# Altium PCB SolderingStation_ASCII.PcbDoc (part 1 of 2)
Units mm, origin at the board's own origin, x right, y up, seen from the top; angles counter-clockwise.
Board outline 138.15 x 60.81 mm, 2 copper layers (Top Layer, Bottom Layer), stack 1.671 mm thick; 209 components, 120 nets, 607 pads, 501 vias.
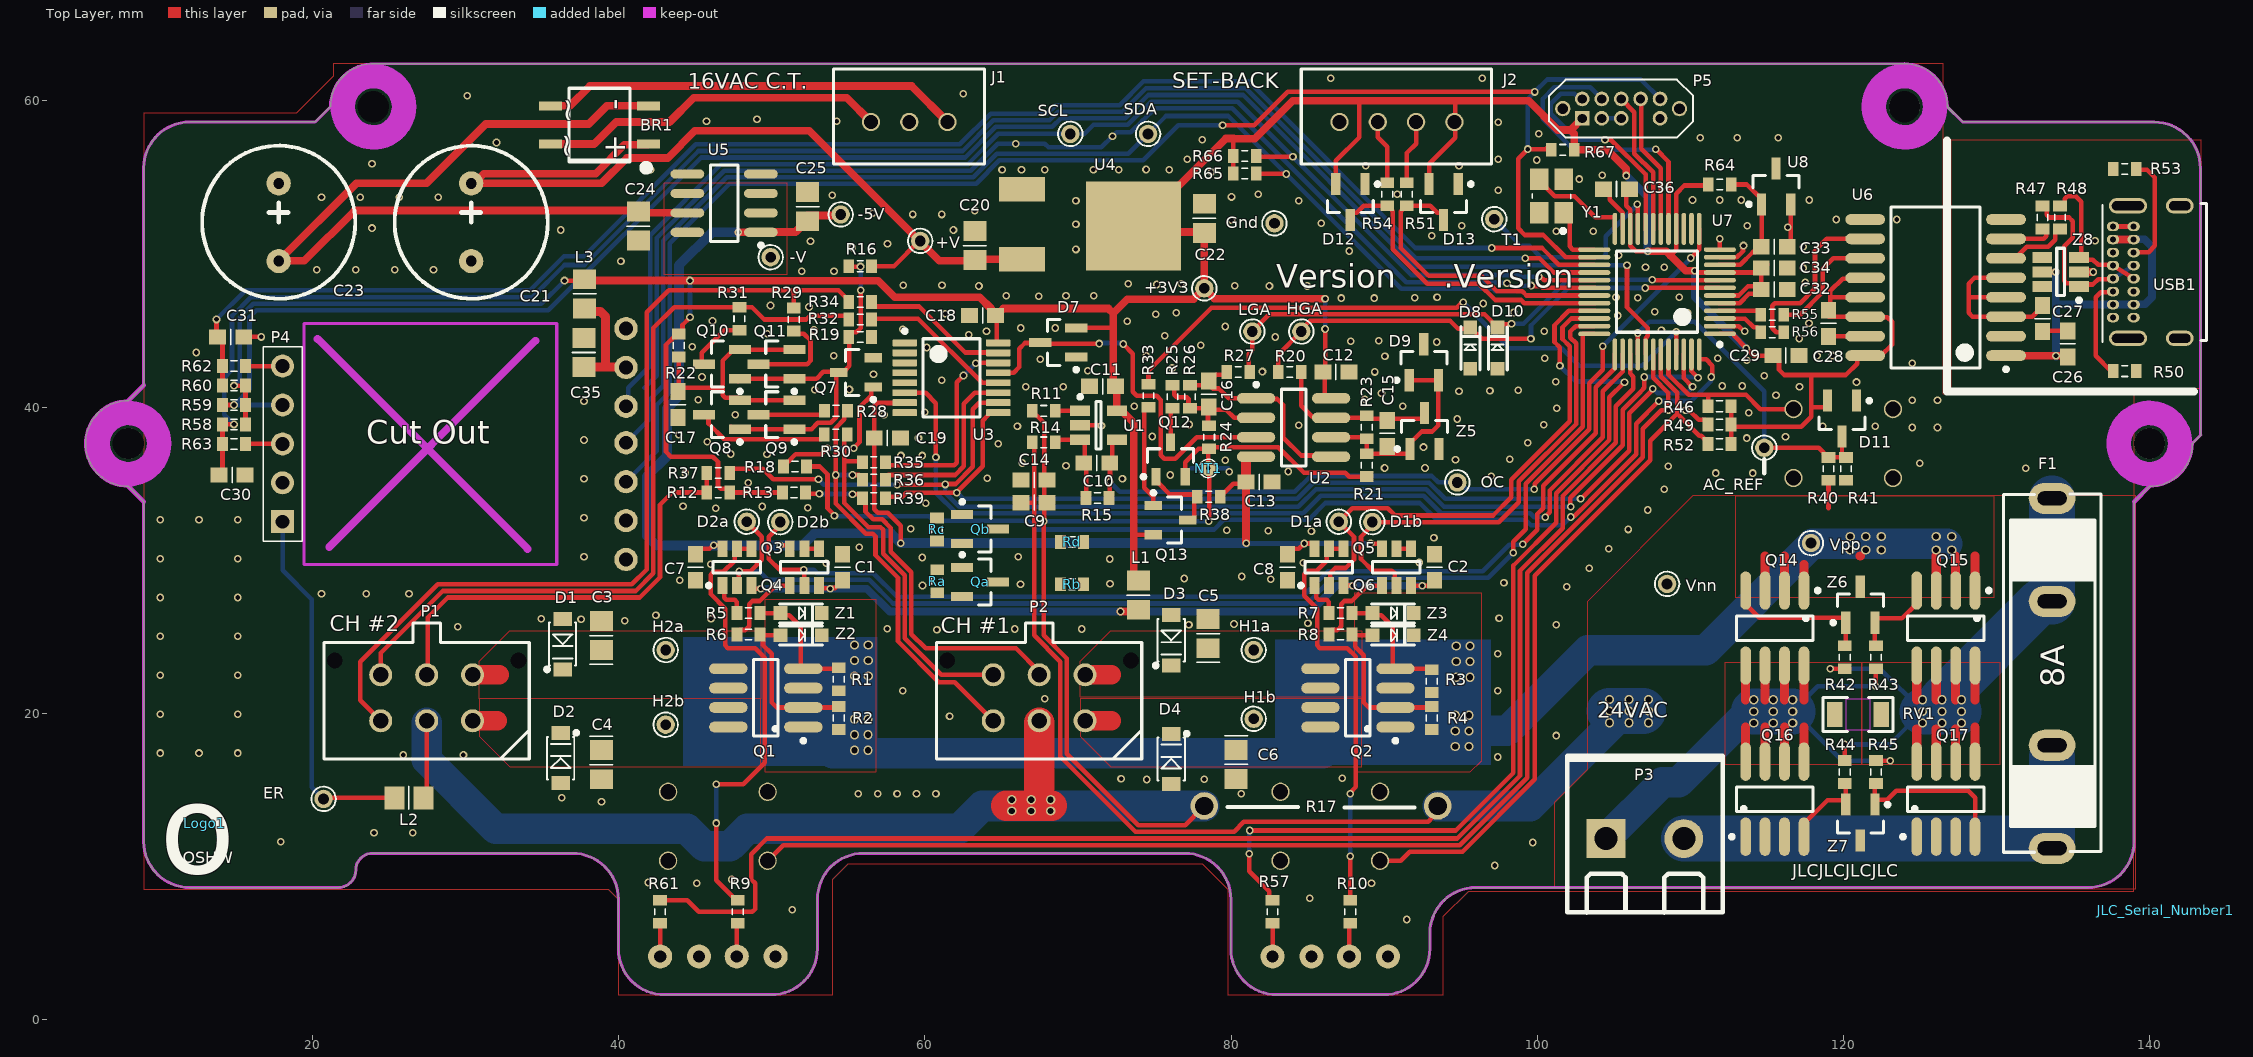
[diagram p0: Top Layer view]
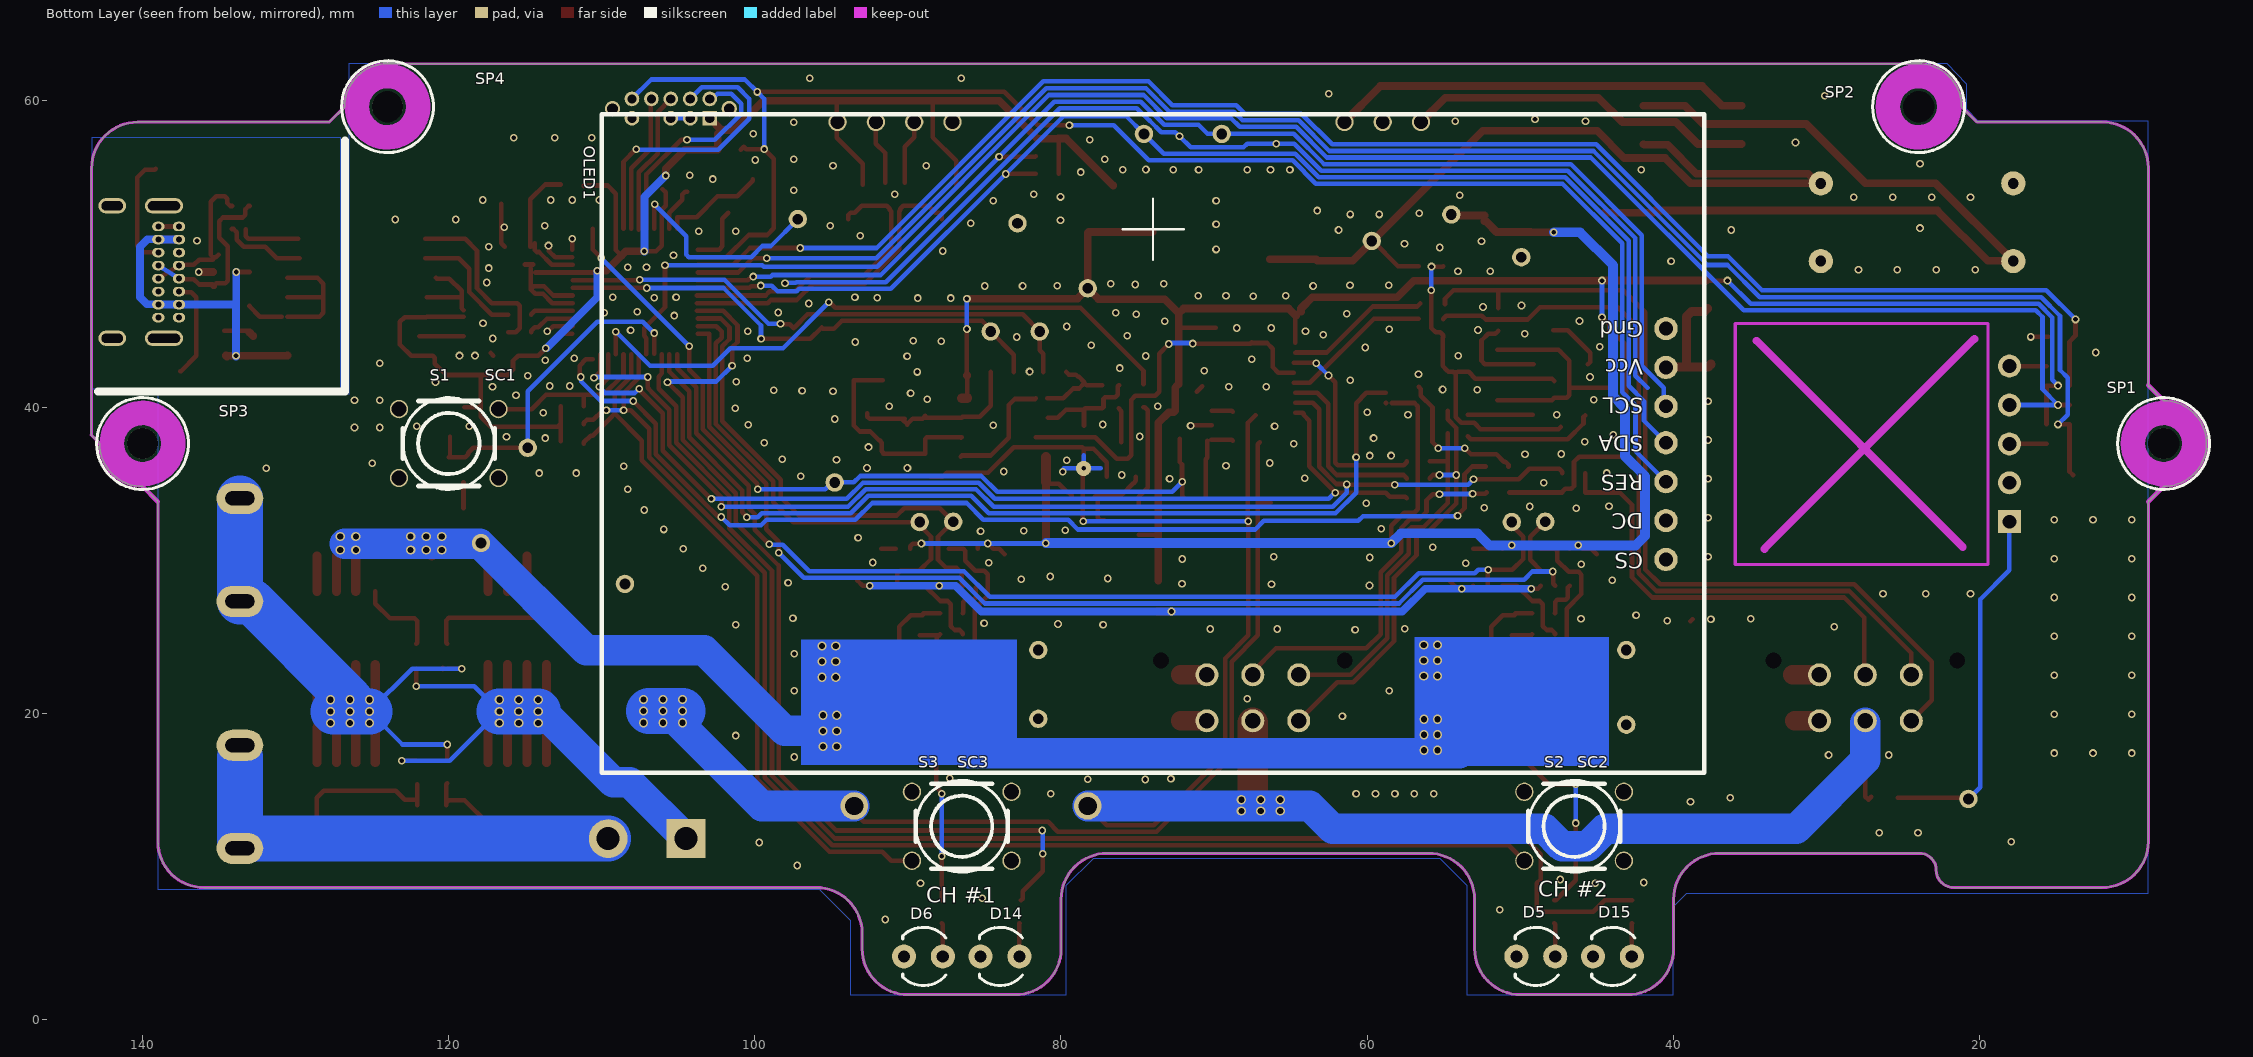
[diagram p1: Bottom Layer view, seen from below]

## Layer stack, top to bottom
Top Solder: solder mask 0.0102, Solder Resist, Dk 3.5
Top Layer: signal copper 0.0356
Dielectric 1: dielectric 1.6, FR-4, Dk 4.8
Bottom Layer: signal copper 0.0356
Bottom Solder: solder mask 0.0102, Solder Resist, Dk 3.5

## Board outline
11.976,8.617 21.69,8.617 ccw(c21.69,9.755) 22.827,9.755 cw(c23.927,9.755) 23.927,10.855 23.927,10.852 36.976,10.852 cw(c36.976,7.852) 39.976,7.852 39.976,4.617 ccw(c42.976,4.617) 42.976,1.617 49.976,1.617 ccw(c49.976,4.617) 52.976,4.617 52.976,7.852 cw(c55.976,7.852) 55.976,10.852 76.976,10.852 cw(c76.976,7.852) 79.976,7.852 79.976,4.617 ccw(c82.976,4.617) 82.976,1.617 89.976,1.617 ccw(c89.976,4.617) 92.976,4.617 92.976,5.617 cw(c95.976,5.617) 95.976,8.617 135.976,8.617 ccw(c135.976,11.617) 138.976,11.617 138.976,33.817 139.976,34.817 ccw(c139.976,37.617) 142.776,37.617 143.33,38.172 143.315,38.172 143.315,55.604 143.305,55.604 ccw(c140.305,55.604) 140.305,58.604 140.305,58.617 127.776,58.617 126.776,59.617 ccw(c123.976,59.617) 123.976,62.417 123.976,62.432 24.049,62.416 ccw(c23.976,59.617) 21.176,59.617 20.176,58.617 11.976,58.617 ccw(c11.976,55.617) 8.976,55.617 8.976,41.417 7.976,40.417 ccw(c7.976,37.617) 7.976,34.817 8.976,33.817 8.976,11.617 ccw(c11.976,11.617)

## Design rules (kind name [scope] priority, off if disabled: settings)
AssemblyTestPointUsage [All] p0: scope1count=1 scope1_0_kind=Board scope1_0_value=Board scope2count=1 scope2_0_kind=Board scope2_0_value=Board commentlength=0
AssemblyTestpoint [All] p0: scope1count=1 scope1_0_kind=Board scope1_0_value=Board scope2count=1 scope2_0_kind=Board scope2_0_value=Board commentlength=0
Clearance [All] p0: scope1count=1 scope1_0_kind=Board scope1_0_value=Board scope2count=1 scope2_0_kind=Board scope2_0_value=Board commentlength=0 gap=0.127
Clearance [All] p1: gap=0.127 ignorepadtopadclearanceinfootprint=FALSE
ComponentClearance [All] p0: scope1count=1 scope1_0_kind=Board scope1_0_value=Board scope2count=1 scope2_0_kind=Board scope2_0_value=Board commentlength=0 gap=0.254 collisioncheckmode=3
DiffPairsRouting [All] p0: scope1count=1 scope1_0_kind=Board scope1_0_value=Board scope2count=1 scope2_0_kind=Board scope2_0_value=Board commentlength=0
DiffPairsRouting [All] p1: maxlimit=0.254 minlimit=0.254 mostfreqgap=0.254 toplayer_minwidth=0.254 toplayer_maxwidth=0.381 toplayer_prefwidth=0.381 bottomlayer_minwidth=0.254 bottomlayer_maxwidth=0.381 bottomlayer_prefwidth=0.381 maxuncoupledlength=12.7
FabricationTestPointUsage [All] p0: scope1count=1 scope1_0_kind=Board scope1_0_value=Board scope2count=1 scope2_0_kind=Board scope2_0_value=Board commentlength=0 valid=0 allowmultiple=FALSE
FabricationTestpoint [All] p0: scope1count=1 scope1_0_kind=Board scope1_0_value=Board scope2count=1 scope2_0_kind=Board scope2_0_value=Board commentlength=0 side=3 testpointundercomponent=TRUE minsize=1.016 maxsize=2.54 preferedsize=1.524 minholesize=0 maxholesize=1.016 preferedholesize=0.813 testpointgrid=0.025
FanoutControl Fanout_Default [All] p0: scope1count=1 scope1_0_kind=Board scope1_0_value=Board scope2count=1 scope2_0_kind=Board scope2_0_value=Board commentlength=30 // Fanout_Default (Default Rule)
FanoutControl Fanout_Small [All] p0 off: scope1count=1 scope1_0_kind=Board scope1_0_value=Board scope2count=1 scope2_0_kind=Board scope2_0_value=Board commentlength=84 // Protel DXP Scope 1 Expression Was: (CompPinCount < 5)   Fanout_Small (Default Rule)
FanoutControl Fanout_SOIC [All] p0 off: scope1count=1 scope1_0_kind=Board scope1_0_value=Board scope2count=1 scope2_0_kind=Board scope2_0_value=Board commentlength=71 // Protel DXP Scope 1 Expression Was: IsSOIC   Fanout_SOIC (Default Rule)
FanoutControl Fanout_LCC [All] p0 off: scope1count=1 scope1_0_kind=Board scope1_0_value=Board scope2count=1 scope2_0_kind=Board scope2_0_value=Board commentlength=69 // Protel DXP Scope 1 Expression Was: IsLCC   Fanout_LCC (Default Rule)
FanoutControl Fanout_BGA [All] p0 off: scope1count=1 scope1_0_kind=Board scope1_0_value=Board scope2count=1 scope2_0_kind=Board scope2_0_value=Board commentlength=69 // Protel DXP Scope 1 Expression Was: IsBGA   Fanout_BGA (Default Rule)
Height [All] p0: scope1count=1 scope1_0_kind=Board scope1_0_value=Board scope2count=1 scope2_0_kind=Board scope2_0_value=Board commentlength=0
HoleSize [All] p0: scope1count=1 scope1_0_kind=Board scope1_0_value=Board scope2count=1 scope2_0_kind=Board scope2_0_value=Board commentlength=0 absolutevalues=TRUE maxlimit=3.1 minlimit=0.025 maxpercent=80.000 minpercent=20.000
HoleSize [All] p1: absolutevalues=TRUE maxlimit=3.1 minlimit=0.025 maxpercent=80.000 minpercent=20.000
HoleToHoleClearance [All] p0: scope1count=1 scope1_0_kind=Board scope1_0_value=Board scope2count=1 scope2_0_kind=Board scope2_0_value=Board commentlength=0
LayerPairs [All] p0: scope1count=1 scope1_0_kind=Board scope1_0_value=Board scope2count=1 scope2_0_kind=Board scope2_0_value=Board commentlength=0 enforce=TRUE
MinimumSolderMaskSliver [All] p0 off: scope1count=1 scope1_0_kind=Board scope1_0_value=Board scope2count=1 scope2_0_kind=Board scope2_0_value=Board commentlength=0
MinimumSolderMaskSliver [All] p1 off: minsoldermaskwidth=0.254
NetAntennae [All] p0: scope1count=1 scope1_0_kind=Board scope1_0_value=Board scope2count=1 scope2_0_kind=Board scope2_0_value=Board commentlength=0
PasteMaskExpansion [All] p0: scope1count=1 scope1_0_kind=Board scope1_0_value=Board scope2count=1 scope2_0_kind=Board scope2_0_value=Board commentlength=0 expansion=0
PlaneClearance [All] p0: scope1count=1 scope1_0_kind=Board scope1_0_value=Board scope2count=1 scope2_0_kind=Board scope2_0_value=Board commentlength=0 clearance=0.508
PlaneConnect [All] p0: scope1count=1 scope1_0_kind=Board scope1_0_value=Board scope2count=1 scope2_0_kind=Board scope2_0_value=Board commentlength=0 planeconnectstyle=Relief reliefexpansion=0.508 reliefentries=4 reliefconductorwidth=0.254 reliefairgap=0.254
PolygonConnect [All] p0: scope1count=1 scope1_0_kind=Board scope1_0_value=Board scope2count=1 scope2_0_kind=Board scope2_0_value=Board commentlength=0 connectstyle=Relief reliefconductorwidth=0.254 reliefentries=4 polygonreliefangle="90 Angle"
PolygonConnect PolygonConnect_Via [All] p0 off: scope1count=1 scope1_0_kind=Board scope1_0_value=Board scope2count=1 scope2_0_kind=Board scope2_0_value=Board commentlength=44 connectstyle=Direct reliefconductorwidth=0.254 reliefentries=4 polygonreliefangle="90 Angle" // Protel DXP Scope 2 Expression Was: IsVia
PolygonConnect PolygonConnect_Via [IsPolygon vs IsVia] p1: connectstyle=Direct reliefconductorwidth=0.254 reliefentries=4 polygonreliefangle="90 Angle" airgapwidth=0.254
PolygonConnect [All] p2: connectstyle=Relief reliefconductorwidth=0.254 reliefentries=4 polygonreliefangle="90 Angle" airgapwidth=0.254
RoomDefinition SolderingStation_Control [All] p0: scope1count=1 scope1_0_kind=ComponentClass scope1_0_value=SolderingStation_Control scope2count=1 scope2_0_kind=Board scope2_0_value=Board commentlength=0 region_x1=1470000 region_y1=0 region_x2=60710000 region_y2=25260000 confinementstyle=ConfineIn
RoomDefinition SolderingStation_Power [All] p0: scope1count=1 scope1_0_kind=ComponentClass scope1_0_value=SolderingStation_Power scope2count=1 scope2_0_kind=Board scope2_0_value=Board commentlength=0 region_x1=1530000 region_y1=0 region_x2=60710000 region_y2=25080000 confinementstyle=ConfineIn
RoomDefinition SolderingStation_Processor [All] p0: scope1count=1 scope1_0_kind=ComponentClass scope1_0_value=SolderingStation_Processor scope2count=1 scope2_0_kind=Board scope2_0_value=Board commentlength=0 region_x1=1530000 region_y1=0 region_x2=60770000 region_y2=25030000 confinementstyle=ConfineIn
RoomDefinition SolderingStation_Control [InComponentClass('SolderingStation_Control')] p1: confinementstyle=ConfineIn formatcopy=TRUE lockcomponents=FALSE outline 3.734,0 154.203,0 154.203,64.16 3.734,64.16
RoomDefinition SolderingStation_Power [InComponentClass('SolderingStation_Power')] p2: confinementstyle=ConfineIn formatcopy=TRUE lockcomponents=FALSE outline 3.886,0 154.203,0 154.203,63.703 3.886,63.703
RoomDefinition SolderingStation_Processor [InComponentClass('SolderingStation_Processor')] p3: confinementstyle=ConfineIn formatcopy=TRUE lockcomponents=FALSE outline 3.886,0 154.356,0 154.356,63.576 3.886,63.576
RoutingCorners [All] p0: scope1count=1 scope1_0_kind=Board scope1_0_value=Board scope2count=1 scope2_0_kind=Board scope2_0_value=Board commentlength=0 cornerstyle=45-Degree minsetback=2.54 maxsetback=2.54
RoutingLayers [All] p0: scope1count=1 scope1_0_kind=Board scope1_0_value=Board scope2count=1 scope2_0_kind=Board scope2_0_value=Board commentlength=0 top layer=Automatic bottom layer=Automatic
RoutingPriority [All] p0: scope1count=1 scope1_0_kind=Board scope1_0_value=Board scope2count=1 scope2_0_kind=Board scope2_0_value=Board commentlength=0
RoutingTopology [All] p0: scope1count=1 scope1_0_kind=Board scope1_0_value=Board scope2count=1 scope2_0_kind=Board scope2_0_value=Board commentlength=0 topology=Shortest
RoutingVias [All] p0: scope1count=1 scope1_0_kind=Board scope1_0_value=Board scope2count=1 scope2_0_kind=Board scope2_0_value=Board commentlength=0 holewidth=0.3 width=0.5 viastyle="Through Hole" minholewidth=0 minwidth=0.5 maxholewidth=0.711 maxwidth=1.27
RoutingVias [All] p1: holewidth=0.3 width=0.5 viastyle="Through Hole" minholewidth=0 minwidth=0.5 maxholewidth=0.711 maxwidth=1.27
ShortCircuit [All] p0: scope1count=1 scope1_0_kind=Board scope1_0_value=Board scope2count=1 scope2_0_kind=Board scope2_0_value=Board commentlength=0 allowed=FALSE
SilkToBoardRegionClearance [All] p0: scope1count=1 scope1_0_kind=Board scope1_0_value=Board scope2count=1 scope2_0_kind=Board scope2_0_value=Board commentlength=0
SilkToSilkClearance [All] p0 off: scope1count=1 scope1_0_kind=Board scope1_0_value=Board scope2count=1 scope2_0_kind=Board scope2_0_value=Board commentlength=0
SilkToSilkClearance [All] p1 off: silktosilkclearance=0.254
SilkToSolderMaskClearance [All] p0 off: scope1count=1 scope1_0_kind=Board scope1_0_value=Board scope2count=1 scope2_0_kind=Board scope2_0_value=Board commentlength=44 // Protel DXP Scope 1 Expression Was: IsPad
SilkToSolderMaskClearance [IsPad] p1 off: minsilkscreentomaskgap=0.254 clearancetoexposedcopper=TRUE
SolderMaskExpansion SolderMaskExpansion_Via [All] p0 off: scope1count=1 scope1_0_kind=Board scope1_0_value=Board scope2count=1 scope2_0_kind=Board scope2_0_value=Board commentlength=44 expansion=0.102 // Protel DXP Scope 1 Expression Was: IsVia
SolderMaskExpansion [All] p0: scope1count=1 scope1_0_kind=Board scope1_0_value=Board scope2count=1 scope2_0_kind=Board scope2_0_value=Board commentlength=0 expansion=0.102
SolderMaskExpansion SolderMaskExpansion_Via [IsVia] p1: expansion=0.102 istentingtop=TRUE
SolderMaskExpansion [All] p2: expansion=0.102 istentingtop=FALSE
UnRoutedNet [All] p0: scope1count=1 scope1_0_kind=Board scope1_0_value=Board scope2count=1 scope2_0_kind=Board scope2_0_value=Board commentlength=0
UnpouredPolygon [All] p0: scope1count=1 scope1_0_kind=Board scope1_0_value=Board scope2count=1 scope2_0_kind=Board scope2_0_value=Board commentlength=0
Width [All] p0: scope1count=1 scope1_0_kind=Board scope1_0_value=Board scope2count=1 scope2_0_kind=Board scope2_0_value=Board commentlength=0 maxlimit=4 minlimit=0.254 preferedwidth=0.254
Width [All] p1: maxlimit=4 minlimit=0.254 preferedwidth=0.254
25 further rules are at their usual default settings.

## Classes and differential pairs
component class SolderingStation_Power: +3V3 +V -5V -V AC_REF BR1 C20 C21 C22 C23 C24 C25 D11 F1 J1 P3 Q14 Q15 Q16 Q17 Qa Qb R40 R41 R42 R43 R44 R45 Ra Rb Rc Rd RV1 SP1 SP2 SP3 SP4 U4 U5 Vnn Vpp Z6 Z7
component class SolderingStation_Processor: C26 C27 C28 C29 C30 C31 C32 C33 C34 C35 C36 D12 D13 D14 D15 Gnd J2 JLC_Serial_Number1 L3 Logo1 OLED1 P4 P5 R46 R47 R48 R49 R50 R51 R52 R53 R54 R55 R56 R57 R58 R59 R60 R61 R62 R63 R64 R65 R66 R67 S1 S2 S3 SC1 SC2 SC3 SCL SDA T1 U6 U7 U8 USB1 Y1 Z8
component class SolderingStation_Control: C1 C2 C3 C4 C5 C6 C7 C8 C9 C10 C11 C12 C13 C14 C15 C16 C17 C18 C19 D1 D1a D1b D2 D2a D2b D3 D4 D5 D6 D7 D8 D9 D10 ER H1a H1b H2a H2b HGA L1 L2 LGA NT1 OC P1 P2 Q1 Q2 Q3 Q4 Q5 Q6 Q7 Q8 Q9 Q10 Q11 Q12 Q13 R1 R2 R3 R4 R5 R6 R7 R8 R9 R10 R11 R12 R13 R14 R15 R16 R17 R18 R19 R20 R21 R22 R23 R24 R25 R26 R27 R28 R29 R30 R31 R32 R33 R34 R35 R36 R37 R38 R39 U1 U2 U3 Z1 Z2 Z3 Z4 Z5

## Components (designator, comment, footprint, x,y, rotation, side; value= is the part's Value field where it differs from the comment)
+3V3 "+3.3 volt" "PCBPIN - 0.7mm" 78.244,47.753 r90 top
+V "9 volt unregulated" "PCBPIN - 0.7mm" 59.69,50.851 r90 top
-5V "-5 volt" "PCBPIN - 0.7mm" 54.495,52.579 r90 top
-V "-9 volt unregulated" "PCBPIN - 0.7mm" 49.923,49.785 r90 top
AC_REF "Vdd" "PCBPIN - 0.7mm" 114.82,37.339 r90 top
BR1 "MB1S" MB1S 38.747,58.421 r180 top
C1 "100nF" CCNP1608-0603 54.61,29.54 r90 top
C2 "100nF" CCNP1608-0603 93.28,29.54 r90 top
C3 "DNP" CC2012-0805 38.874,25.071 r90 top
C4 "DNP" CC2012-0805 38.874,16.638 r270 top
C5 "DNP" CC2012-0805 78.498,25.198 r90 top
C6 "DNP" CC2012-0805 80.326,16.664 r270 top
C7 "100nF" CCNP1608-0603 45.009,29.54 r270 top
C8 "100nF" CCNP1608-0603 83.679,29.54 r270 top
C9 "100nF" CCNP1608-0603 67.132,33.757 r180 top
C10 "100pF" CCNP1608-0603 71.222,36.347 r0 top
C11 "100nF" CCNP1608-0603 71.603,41.351 r180 top
C12 "100nF" CCNP1608-0603 86.843,42.291 r0 top
C13 "100nF" CCNP1608-0603 81.819,35.106 r0 top
C14 "100nF" CCNP1608-0603 67.132,35.23 r180 top
C15 "100pF" CCNP1608-0603 90.195,38.278 r90 top
C16 "100pF" CCNP1608-0603 78.537,40.843 r90 top
C17 "100nF" CCNP1608-0603 43.866,40.157 r90 top
C18 "100nF" CCNP1608-0603 63.766,45.975 r180 top
C19 "100nF" CCNP1608-0603 57.543,37.974 r0 top
C20 "100nF" CCNP2012-0805 63.258,50.547 r270 top
C21 "470uF/25V" RB5/10x13mm 30.365,52.071 r270 top
C22 "10uF" CCNP2012-0805 78.244,52.325 r270 top
C23 "270uF/25V" RB5/10x13mm 17.792,52.071 r270 top
C24 "2.2uF" CCNP2012-0805 41.287,51.817 r90 top
C25 "10uF" CCNP2012-0805 52.336,53.087 r270 top
C26 "100nF" CCNP1608-0603 134.644,44.123 r270 top
C27 "100nF" CCNP1608-0603 132.993,45.774 r90 top
C28 "100nF" CCNP1608-0603 119.011,45.467 r90 top
C29 "100nF" CCNP1608-0603 116.229,43.361 r180 top
C30 "1nF" CCNP1608-0603 14.744,35.561 r180 top
C31 "1nF" CCNP1608-0603 14.656,44.578 r180 top
C32 "2.2uF" CCNP1608-0603 115.467,47.679 r180 top
C33 "100nF" CCNP1608-0603 115.467,50.473 r180 top
C34 "100nF" CCNP1608-0603 115.467,49.076 r180 top
C35 "10uF" CCNP2012-0805 37.731,43.562 r270 top
C36 "100nF" CCNP1608-0603 105.168,54.23 r0 top
D1 "SM4007PL" SOD-123FL 36.334,24.512 r90 top
D1a "Drive1" "PCBPIN - 0.7mm" 87.032,32.512 r0 top
D1b "Drive2" "PCBPIN - 0.7mm" 89.216,32.487 r0 top
D2 "SM4007PL" SOD-123FL 36.207,17.07 r270 top
D2a "Drive2" "PCBPIN - 0.7mm" 48.362,32.512 r0 top
D2b "Drive2" "PCBPIN - 0.7mm" 50.546,32.487 r0 top
D3 "SM4007PL" SOD-123FL 76.085,24.766 r90 top
D4 "SM4007PL" SOD-123FL 76.085,17.019 r270 top
D5 "LED" "LED3MM-GREEN - 10MM PROUD" 48.976,4.117 r0 bottom locked
D6 "LED" "LED3MM-GREEN - 10MM PROUD" 88.976,4.117 r0 bottom locked
D7 "BAV199LT1G" SOT23_M 68.707,44.221 r0 top
D8 "1N4148WS" SOD-323 95.617,43.842 r270 top
D9 "BAV199LT1G" SOT23_M 92.583,42.926 r270 top
D10 "1N4148WS" SOD-323 97.395,43.842 r270 top
D11 "BAV199LT1G" SOT23_M 119.9,39.244 r90 top
D12 "BAV199LT1G" SOT23_M 87.781,53.394 r90 top
D13 "BAV199LT1G" SOT23_M 93.877,53.394 r90 top
D14 "LED" "LED3MM-RED - 10MM PROUD" 83.976,4.117 r0 bottom locked
D15 "LED" "LED3MM-RED - 10MM PROUD" 43.976,4.117 r0 bottom locked
ER "Gnd" "PCBPIN - 0.7mm" 20.725,14.405 r0 top
F1 "Bell FC-211-22" FUSE_CLIP_5x20 133.616,22.607 r90 top
Gnd "Gnd" "PCBPIN - 0.7mm" 82.828,51.997 r90 top
H1a "Heater1" "PCBPIN - 0.7mm" 81.469,24.131 r0 top
H1b "Heater2" "PCBPIN - 0.7mm" 81.469,19.636 r90 top
H2a "Heater2" "PCBPIN - 0.7mm" 43.065,24.131 r0 top
H2b "Heater2" "PCBPIN - 0.7mm" 43.065,19.254 r90 top
HGA "TC1" "PCBPIN - 0.7mm" 84.582,44.933 r0 top
J1 "JST XH Connector, 3-Pin" JST-B3B-XH-AX 58.976,58.617 r180 top
J2 "JST XH Connector, 4-Pin" jst-b4b-xh-ax 90.829,58.617 r180 top locked
JLC_Serial_Number1 "JLC_Serial_Number" JLC_Serial_Number 141.032,7.141 r90 top
L1 "Ferrite Bead" FB2012-0805 73.939,27.711 r270 top
L2 "Ferrite Bead" FB2012-0805 26.301,14.479 r0 top
L3 "Ferrite Bead" FB2012-0805 37.77,47.396 r270 top
LGA "NTC1" "PCBPIN - 0.7mm" 81.382,44.933 r0 top
Logo1 "OSHW Logo" OSHW 12.966,12.828 r0 top
NT1 "NetTieVia" NETTIEVIA 78.511,35.992 r90 top net-tie